# Altium PCB main.PcbDoc (part 3 of 5) (continued)
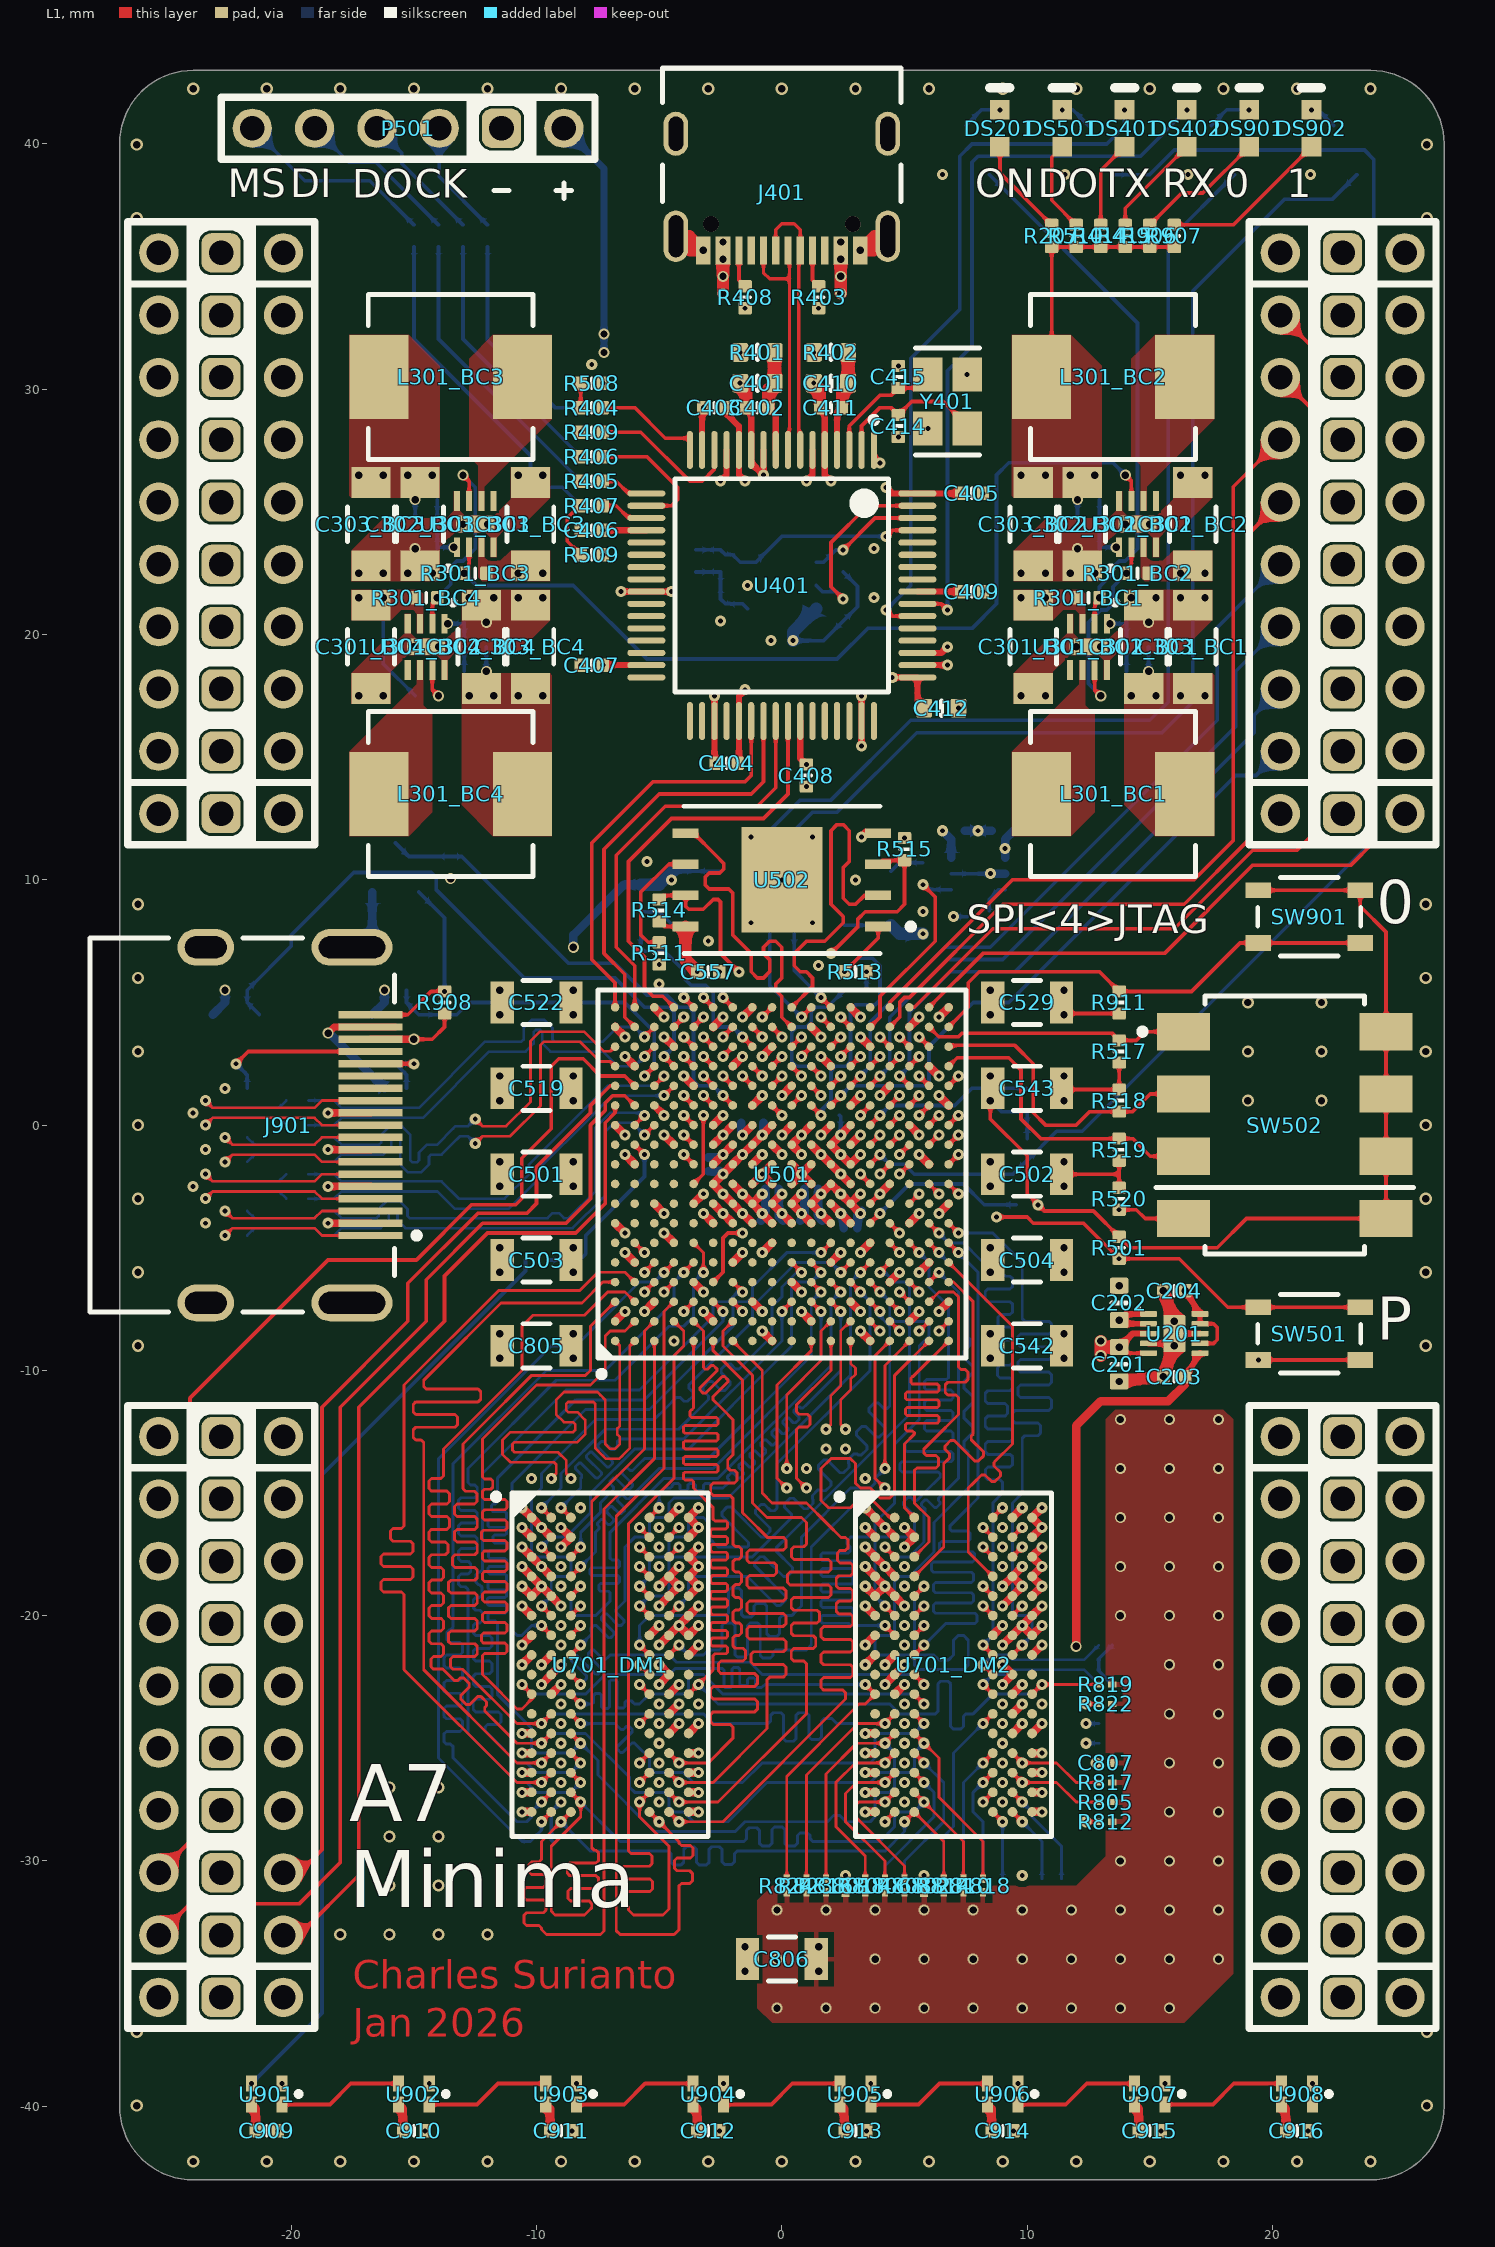
[diagram p0: L1 view]
## Nets (pads, with @x,y where several pads share a name; then routed paths per layer and width w, separated by ;. In a path a pad name is that pad's centre, name@x,y a point inside that pad or via, vN(x,y) a via of type N, cw(c..) or ccw(c..) an arc to the next point about the centre after c; other vN are vias at no path point) (continued)
DDRB0.DQ5: U501.K5 U701_DM1.A2 | length 18.7
  L1 w0.118: v1(-9.8,-15.6) U701_DM1.A2@-9.4,-16 ; U501.K5@0.4,-5.6 v1(0.8,-6)
  L8 w0.118: v1(-9.8,-15.6) -9,-14.8 -9,-14.2 -7.2,-12.4 -4.2,-12.4 -3.031,-11.231 -2.989,-11.189 -2.989,-11.042 -3.207,-10.824 -3.207,-10.677 -2.987,-10.458 -2.841,-10.458 -2.477,-10.821 -2.33,-10.821 -2.11,-10.601 -2.11,-10.455 -2.47,-10.095 -2.47,-9.948 -2.25,-9.728 -2.103,-9.728 -1.889,-9.943 -1.743,-9.943 -1.644,-9.844 -0.4,-8.6 -0.4,-7.4 0,-7 0,-6.6 0.571,-6.029
DDRB0.DQ6: U501.M2 U701_DM1.B8 | length 17.4
  L1 w0.118: U701_DM1.B8@-4.6,-16.8 v3(-4.2,-16.4) ; v3(0.2,-14) 0.2,-11 1.6,-9.6 1.6,-8.4 U501.M2@2,-8
  L6 w0.126: v3(-4.2,-16.4) -3.8,-16 -3.2,-16 -2.6,-15.4 -2.555,-15.355 -2.555,-15.207 -3.329,-14.433 -3.329,-14.284 -3.106,-14.061 -2.957,-14.061 -1.963,-15.055 -1.814,-15.055 -1.591,-14.831 -1.591,-14.683 -2.351,-13.923 -2.351,-13.774 -2.128,-13.55 -1.979,-13.55 -1.439,-14.09 -1.29,-14.09 -1.2,-14 v3(0.2,-14)
DDRB0.DQ7: U501.K3 U701_DM1.A3 | length 19
  L1 w0.118: v1(-9,-15.6) U701_DM1.A3@-8.6,-16 ; v1(0,-7.6) U501.K3@0.4,-7.2
  L8 w0.118: v1(-9,-15.6) -8.2,-14.8 -8.2,-14.4 -8.158,-14.358 -8.158,-14.26 -8.41,-14.009 -8.41,-13.918 -8.275,-13.783 -8.184,-13.783 -7.583,-14.384 -7.493,-14.384 -7.358,-14.249 -7.358,-14.159 -7.959,-13.558 -7.959,-13.468 -7.824,-13.333 -7.734,-13.333 -7.133,-13.934 -7.043,-13.934 -6.908,-13.799 -6.908,-13.709 -7.494,-13.123 -7.494,-13.033 -7.359,-12.898 -7.269,-12.898 -6.934,-13.232 -6.844,-13.232 -6.709,-13.097 -6.709,-13.007 -6.709,-12.909 -6.6,-12.8 -6.424,-12.8 -4,-12.8 0,-8.8 v1(0,-7.6)
DDRB0.DQS_1_N: U501.N1 U701_DM1.B7 | length 17.1
  L1 w0.108: v3(-5.8,-16.4) U701_DM1.B7@-5.4,-16.8 ; v3(2.6,-12.4) 2.404,-12.204 2.404,-11.196 2.804,-10.796 2.804,-10.411 2.804,-10.357 3.002,-10.159 3.002,-9.909 2.804,-9.711 2.804,-9.6 U501.N1@2.804,-8.8
  L6 w0.114: v3(-5.8,-16.4) -5.8,-15.215 -2.771,-12.186 -2.585,-12 -2.2,-12 -2.026,-12 -1.923,-11.897 -1.923,-11.337 -1.586,-11 -0.946,-11 -0.609,-11.337 -0.609,-11.897 -0.506,-12 0.016,-12 2.2,-12 v3(2.6,-12.4)
DDRB0.DQS_1_P: U501.N2 U701_DM1.C7 | length 17.3
  L1 w0.108: v3(-5.8,-17.2) U701_DM1.C7@-5.4,-17.6 ; v3(1.8,-12.4) 1.996,-12.204 1.996,-11.027 2.396,-10.627 2.396,-9.004 2.4,-9 2.4,-8.4 U501.N2@2.8,-8
  L6 w0.114: v3(-5.8,-17.2) -5.4,-16.8 -5.4,-15.4 -2.4,-12.4 -2.2,-12.4 -1.86,-12.4 -1.523,-12.063 -1.523,-11.503 -1.42,-11.4 -1.112,-11.4 -1.009,-11.503 -1.009,-12.063 -0.672,-12.4 0.016,-12.4 v3(1.8,-12.4)
DDRB1.DM_1: U501.N4 U701_DM1.E7 | length 25.7
  L1 w0.118: v1(-5.8,-18.8) U701_DM1.E7@-5.4,-19.2 ; U501.N4@2.8,-6.4 v1(3.2,-6.8)
  L8 w0.118: v1(-5.8,-18.8) -5.4,-18.4 -5.4,-17.8 -5.2,-17.6 -4.8,-17.6 -4.6,-17.4 -4.6,-17 -4.4,-16.8 -4,-16.8 -3.8,-16.6 -3.8,-16.2 -3.6,-16 -3.2,-16 -3,-16.2 -3,-16.8 -2.6,-17.2 -1.4,-17.2 -1.358,-17.158 -1.358,-17.012 -2.442,-15.927 -2.442,-15.781 -2.222,-15.561 -2.076,-15.561 -0.846,-16.791 -0.699,-16.791 -0.479,-16.571 -0.479,-16.424 -1.071,-15.832 -1.071,-15.686 -0.851,-15.466 -0.704,-15.466 -0.45,-15.72 -0.304,-15.72 -0.2,-15.616 -0.2,-15.394 -0.2,-13.8 3.6,-10 3.6,-7.2 v1(3.2,-6.8)
DDRB1.DQ0: U501.M4 U701_DM1.E3 | length 25.7
  L1 w0.118: U701_DM1.E3@-8.6,-19.2 v1(-8.2,-18.8) ; U501.M4@2,-6.4 v1(2.4,-6.8)
  L8 w0.118: v1(-8.2,-18.8) -8.6,-19.2 -8.6,-19.8 -8.4,-20 -7.6,-20 -7,-19.4 -7,-19.2 -7,-19.072 -7.069,-19.002 -7.39,-19.002 -7.453,-18.938 -7.453,-18.747 -7.39,-18.684 -6.682,-18.684 -6.618,-18.62 -6.618,-18.429 -6.682,-18.365 -7.752,-18.365 -7.816,-18.302 -7.816,-18.111 -7.752,-18.047 -6.682,-18.047 -6.618,-17.983 -6.618,-17.792 -6.682,-17.729 -6.931,-17.729 -7,-17.659 -7,-17.6 -7,-17.4 -7,-16.6 -4.8,-14.4 -2.6,-14.4 2,-9.8 2,-9.6 2,-7.2 v1(2.4,-6.8)
DDRB1.DQ1: U501.P3 U701_DM1.F7 | length 25.7
  L1 w0.118: v1(-5.8,-19.6) U701_DM1.F7@-5.4,-20 ; U501.P3@3.6,-7.2 v1(4,-7.6)
  L8 w0.118: v1(-5.8,-19.6) -5.4,-19.2 -4.8,-19.2 -4.6,-19 -4.6,-17.8 -4.4,-17.6 -3.2,-17.6 -1.2,-17.6 0.35,-16.05 0.392,-16.008 0.392,-15.862 0.11,-15.58 0.11,-15.433 0.33,-15.213 0.477,-15.213 0.904,-15.641 1.051,-15.641 1.271,-15.421 1.271,-15.274 1.243,-15.247 1.243,-15.1 1.463,-14.88 1.61,-14.88 1.637,-14.907 1.784,-14.907 2.004,-14.687 2.004,-14.541 1.487,-14.024 1.487,-13.877 1.707,-13.658 1.854,-13.658 2.37,-14.174 2.517,-14.174 2.737,-13.954 2.737,-13.808 2.71,-13.78 2.71,-13.634 2.929,-13.414 3.076,-13.414 3.103,-13.441 3.25,-13.441 3.47,-13.221 3.47,-13.075 3.043,-12.647 3.043,-12.501 3.263,-12.281 3.409,-12.281 3.837,-12.708 3.983,-12.708 4.203,-12.488 4.203,-12.341 3.551,-11.689 3.551,-11.543 3.771,-11.323 3.917,-11.323 4.15,-11.555 4.296,-11.555 4.4,-11.451 4.4,-10.953 4.4,-8.2 4,-7.8 v1(4,-7.6)
DDRB1.DQ2: U501.N5 U701_DM1.F2 | length 25.7
  L1 w0.118: v1(-9.8,-19.6) U701_DM1.F2@-9.4,-20 ; v1(2.4,-6) U501.N5@2.8,-5.6
  L8 w0.118: v1(-9.8,-19.6) -9.4,-19.2 -9.4,-18.6 -9.2,-18.4 -8.8,-18.4 -8.6,-18.2 -8.6,-17.8 -8.8,-17.6 -10,-17.6 -10.2,-17.4 -10.2,-15.2 -9.8,-14.8 -9.8,-14.2 -7.6,-12 -5.2,-12 -4.707,-11.507 -4.298,-11.098 -4.152,-11.098 -3.992,-11.258 -3.846,-11.258 -3.626,-11.038 -3.626,-10.891 -3.785,-10.732 -3.785,-10.585 -3.414,-10.214 -1.2,-8 -1.2,-7.4 0.6,-5.6 2,-5.6 v1(2.4,-6)
DDRB1.DQ3: U501.P4 U701_DM1.F8 | length 25.7
  L1 w0.118: U701_DM1.F8@-4.6,-20 v1(-4.2,-19.6) ; U501.P4@3.6,-6.4 v1(4,-6.8)
  L8 w0.118: v1(-4.2,-19.6) -3.8,-19.2 -3.8,-18.6 -3.6,-18.4 -2.574,-18.4 -1.404,-18.4 -0.215,-19.589 -0.068,-19.589 0.152,-19.369 0.152,-19.223 -1.108,-17.963 -1.108,-17.816 -0.888,-17.596 -0.741,-17.596 0.07,-18.408 0.217,-18.408 0.437,-18.188 0.437,-18.041 -0.229,-17.375 -0.229,-17.229 0.307,-16.693 5.2,-11.8 5.2,-8.2 5,-8 4.6,-8 4.4,-7.8 4.4,-7.2 v1(4,-6.8)
DDRB1.DQ4: U501.P5 U701_DM1.H3 | length 25.7
  L1 w0.118: U701_DM1.H3@-8.6,-21.6 v1(-8.2,-21.2) ; v1(3.2,-6) U501.P5@3.6,-5.6
  L8 w0.118: v1(-8.2,-21.2) -7.8,-20.8 -7.758,-20.758 -7.758,-20.66 -7.792,-20.626 -7.792,-20.536 -7.657,-20.401 -7.567,-20.401 -7.067,-20.901 -6.977,-20.901 -6.842,-20.766 -6.842,-20.675 -7.359,-20.158 -7.359,-20.068 -7.224,-19.933 -7.134,-19.933 -6.66,-20.407 -6.57,-20.407 -6.435,-20.272 -6.435,-20.182 -6.759,-19.858 -6.759,-19.759 -6.6,-19.6 -6.4,-19.4 -6.4,-17.2 -6,-16.8 -5.6,-16.8 -5.4,-16.6 -5.4,-16.2 -5.2,-16 -4.8,-16 -4.6,-15.8 -4.6,-15.4 -4.4,-15.2 -2.2,-15.2 2.8,-10.2 2.8,-6.4 v1(3.2,-6)
DDRB1.DQ5: U501.R1 U701_DM1.H8 | length 25.7
  L1 w0.118: U701_DM1.H8@-4.6,-21.6 v1(-4.2,-21.2) ; v1(4.2,-14.8) 3.8,-14.4 3.8,-9.4 U501.R1@4.4,-8.8
  L8 w0.118: v1(-4.2,-21.2) -3.8,-21.6 -3.2,-21.6 -3,-21.4 -2.6,-21.4 -2.541,-21.4 -2.437,-21.296 -2.437,-20.398 -2.333,-20.294 -2.022,-20.294 -1.919,-20.398 -1.919,-21.578 -1.815,-21.682 -1.504,-21.682 -1.4,-21.578 -1.4,-20.398 -1.297,-20.294 -0.986,-20.294 -0.882,-20.398 -0.882,-21.62 -0.778,-21.724 -0.467,-21.724 -0.364,-21.62 -0.364,-21.504 -0.26,-21.4 0.123,-21.4 1,-21.4 1.2,-21.2 1.2,-17.2 3.2,-15.2 3.8,-15.2 v1(4.2,-14.8)
DDRB1.DQ6: U501.M6 U701_DM1.G2 | length 25.8
  L1 w0.118: v1(-9.8,-20.4) U701_DM1.G2@-9.4,-20.8 ; v1(1.6,-5.2) U501.M6@2,-4.8
  L8 w0.118: v1(-9.8,-20.4) -10.2,-20.4 -10.6,-20.8 -10.8,-20.8 -11,-20.6 -11,-14.6 -8,-11.6 -5.4,-11.6 -2,-8.2 -2,-7.4 -1.8,-7.2 -1.4,-7.2 -1.2,-7 -1.2,-6.6 0.2,-5.2 v1(1.6,-5.2)
DDRB1.DQ7: U501.T1 U701_DM1.H7 | length 25.8
  L1 w0.118: v1(-5.8,-21.2) U701_DM1.H7@-5.4,-21.6 ; v1(4.2,-14) 4.2,-9.8 U501.T1@5.2,-8.8
  L8 w0.118: v1(-5.8,-21.2) -5.8,-20.4 -5.4,-20 -2.335,-20 -2.276,-20 -2.172,-19.896 -2.172,-18.975 -2.068,-18.871 -1.757,-18.871 -1.654,-18.975 -1.654,-19.943 -1.55,-20.047 -1.239,-20.047 -1.135,-19.943 -1.135,-19.599 -1.032,-19.496 -0.721,-19.496 -0.617,-19.599 -0.617,-20.733 -0.513,-20.836 -0.202,-20.836 -0.098,-20.733 -0.098,-20.104 0.005,-20 0.4,-20 0.6,-19.8 0.8,-19.6 0.8,-16.8 2.8,-14.8 3.6,-14.8 3.8,-14.6 3.8,-14.4 v1(4.2,-14)
DDRB1.DQS_1_N: U501.R2 U701_DM1.G3 | length 22.5
  L1 w0.108: U701_DM1.G3@-8.6,-20.8 v3(-8.2,-20.4) ; U501.R2@4.4,-8 v3(4.8,-8.4)
  L6 w0.114: v3(-8.2,-20.4) -8.007,-20.207 -7.7,-20.207 -7.307,-20.6 -7.3,-20.607 -5.393,-20.607 -5.2,-20.8 -3.2,-20.8 -3.007,-20.607 -2.522,-20.607 -0.386,-18.471 -0.386,-17.586 4.607,-12.593 4.607,-9.6 4.607,-8.593 v3(4.8,-8.4)
DDRB1.DQS_1_P: U501.P2 U701_DM1.F3 | length 22.4
  L1 w0.108: U701_DM1.F3@-8.6,-20 v3(-8.2,-19.6) ; U501.P2@3.6,-8 v3(4,-8.4)
  L6 w0.114: v3(-8.2,-19.6) -8.007,-19.793 -7.529,-19.793 -7.129,-20.193 -5.393,-20.193 -5.2,-20 -3.2,-20 -3.007,-20.193 -2.693,-20.193 -1.55,-19.05 -1.51,-19.01 -1.51,-18.656 -1.333,-18.479 -0.979,-18.479 -0.8,-18.3 -0.8,-17.415 2.087,-14.528 2.145,-14.47 2.145,-14.237 2.322,-14.06 2.57,-14.06 2.747,-13.883 2.747,-13.635 2.924,-13.458 3.173,-13.458 3.35,-13.281 3.35,-13.032 3.526,-12.855 3.759,-12.855 4.007,-12.607 4.193,-12.422 4.193,-8.593 v3(4,-8.4)
DDRB2.DM_1: U501.V4 U701_DM2.D3 | length 15.9
  L1 w0.118: U701_DM2.D3@5.4,-18.4 6.6,-17.2 6.6,-13.8 6.8,-13.6 6.842,-13.558 6.842,-13.412 6.658,-13.228 6.658,-13.081 6.878,-12.861 7.025,-12.861 7.861,-13.697 8.007,-13.697 8.227,-13.477 8.227,-13.331 7.722,-12.825 7.722,-12.678 7.8,-12.6 7.8,-11.99 7.8,-7.2 7,-6.4 U501.V4@6.8,-6.4
DDRB2.DQ0: U501.V5 U701_DM2.D7 | length 15.9
  L1 w0.118: U501.V5@6.8,-5.6 9.4,-8.2 9.4,-13 8.692,-13.708 8.65,-13.75 8.65,-13.896 8.909,-14.155 8.909,-14.302 8.689,-14.522 8.543,-14.522 8.284,-14.263 8.137,-14.263 7.8,-14.6 7.6,-14.8 7.6,-17.4 U701_DM2.D7@8.6,-18.4
DDRB2.DQ1: U501.U3 U701_DM2.C3 | length 15.9
  L1 w0.118: U701_DM2.C3@5.4,-17.6 6,-17 6,-16 5.4,-15.4 5.4,-14.664 5.4,-14.087 5.504,-13.983 6.278,-13.983 6.382,-13.879 6.382,-13.568 6.278,-13.465 5.889,-13.465 5.786,-13.361 5.786,-13.214 6.195,-12.805 7.2,-11.8 7.2,-11.6 7.2,-11.103 7.096,-11 6.766,-11 6.662,-10.896 6.662,-10.585 6.766,-10.481 7.478,-10.481 7.582,-10.378 7.582,-10.067 7.478,-9.963 7.304,-9.963 7.2,-9.859 7.2,-9.8 7.2,-7 7,-6.8 6.4,-6.8 U501.U3@6,-7.2
DDRB2.DQ2: U501.R3 U701_DM2.C8 | length 14
  L1 w0.118: U501.R3@4.4,-7.2 v3(4.8,-7.6) ; U701_DM2.C8@9.4,-17.6 v3(9.8,-17.2)
  L6 w0.126: v3(4.8,-7.6) 5,-7.6 5.4,-8 6.6,-8 6.8,-8.2 6.8,-14.2 8.6,-16 8.6,-16.6 8.8,-16.8 9.4,-16.8 v3(9.8,-17.2)
DDRB2.DQ3: U501.U4 U701_DM2.C2 | length 15.9
  L1 w0.118: v1(4.2,-17.2) U701_DM2.C2@4.6,-17.6 ; U501.U4@6,-6.4 v1(6.4,-6)
  L8 w0.118: v1(4.2,-17.2) 4.6,-17.6 5.2,-17.6 5.8,-17 5.8,-15.8 5.842,-15.758 5.842,-15.66 5.69,-15.509 5.69,-15.418 5.825,-15.283 5.916,-15.283 6.219,-15.587 6.31,-15.587 6.445,-15.452 6.445,-15.362 6.39,-15.308 6.39,-15.21 6.51,-15.09 7.2,-14.4 7.2,-6.8 v1(6.4,-6)
DDRB2.DQ4: U501.T3 U701_DM2.A7 | length 13.9
  L1 w0.118: v3(4.8,-6.8) U501.T3@5.2,-7.2 ; U701_DM2.A7@8.6,-16 v3(9,-15.6)
  L6 w0.126: v3(4.8,-6.8) 5.2,-7.2 6.6,-7.2 7.4,-8 7.4,-10 7.4,-10.063 7.505,-10.168 7.669,-10.168 7.774,-10.274 7.774,-10.589 7.669,-10.695 7.131,-10.695 7.026,-10.8 7.026,-11.116 7.131,-11.221 7.519,-11.221 7.624,-11.326 7.624,-11.642 7.519,-11.747 7.505,-11.747 7.4,-11.852 7.4,-12.203 7.4,-14 v3(9,-15.6)
DDRB2.DQ5: U501.U1 U701_DM2.A2 | length 16.1
  L1 w0.118: U701_DM2.A2@4.6,-16 4.4,-16 3.6,-15.2 3.2,-15.2 2.8,-15.6 1.9,-15.6 1.6,-15.3 1.6,-14 2,-13.6 2.8,-13.6 3,-13.8 3,-14.6 3.2,-14.8 3.6,-14.8 4,-15.2 4.4,-15.2 4.6,-15 4.6,-10.2 U501.U1@6,-8.8
DDRB2.DQ6: U501.T4 U701_DM2.B8 | length 13.9
  L1 w0.118: U501.T4@5.2,-6.4 v3(5.6,-6.8) ; U701_DM2.B8@9.4,-16.8 v3(9.8,-16.4)
  L6 w0.126: v3(5.6,-6.8) 7,-6.8 8,-7.8 8,-13.6 8.202,-13.802 8.246,-13.846 8.395,-13.846 8.563,-13.678 8.712,-13.678 8.935,-13.901 8.935,-14.05 8.767,-14.218 8.767,-14.367 9.155,-14.755 9.2,-14.8 9.4,-15 9.4,-16 v3(9.8,-16.4)
DDRB2.DQ7: U501.V1 U701_DM2.A3 | length 15.9
  L1 w0.118: U701_DM2.A3@5.4,-16 5,-15.6 5,-13 5.4,-12.6 5.4,-12.541 5.331,-12.471 5.105,-12.471 5.042,-12.408 5.042,-12.217 5.105,-12.153 6.336,-12.153 6.4,-12.089 6.4,-11.898 6.336,-11.835 5.105,-11.835 5.042,-11.771 5.042,-11.58 5.105,-11.516 6.336,-11.516 6.4,-11.453 6.4,-11.262 6.336,-11.198 5.105,-11.198 5.042,-11.134 5.042,-10.943 5.105,-10.879 6.336,-10.879 6.4,-10.816 6.4,-10.625 6.336,-10.561 5.33,-10.561 5.266,-10.497 5.266,-10.306 5.33,-10.243 5.357,-10.243 5.582,-10.018 U501.V1@6.8,-8.8
DDRB2.DQS_1_N: U501.V2 U701_DM2.B7 | length 14
  L1 w0.108: v3(6.4,-8.4) U501.V2@6.8,-8 ; v3(8.2,-16.4) U701_DM2.B7@8.6,-16.8
  L6 w0.114: 6.274,-10.024 6.207,-9.957 6.207,-9.779 6.207,-8.593 v3(6.4,-8.4) ; 6.275,-10.024 6.58,-10.329 6.58,-10.861 6.275,-11.166 5.697,-11.166 5.634,-11.229 5.634,-11.417 5.697,-11.48 6.275,-11.48 6.58,-11.785 6.58,-12.317 6.275,-12.622 5.792,-12.622 5.729,-12.685 5.729,-12.873 5.792,-12.936 5.898,-12.936 6.207,-13.245 6.207,-13.795 6.207,-15.4 6.279,-15.471 6.485,-15.678 6.631,-15.678 6.817,-15.492 6.963,-15.492 7.181,-15.71 7.181,-15.855 6.994,-16.042 6.994,-16.187 7.398,-16.591 7.4,-16.593 8.007,-16.593 v3(8.2,-16.4)
DDRB2.DQS_1_P: U501.U2 U701_DM2.C7 | length 14
  L1 w0.108: v3(5.6,-8.4) U501.U2@6,-8 ; v3(8.2,-17.2) U701_DM2.C7@8.6,-17.6
  L6 w0.114: v3(5.6,-8.4) 5.793,-8.593 5.793,-9.779 5.793,-10.129 6.102,-10.438 ; 6.103,-10.438 6.166,-10.501 6.166,-10.689 6.103,-10.752 5.525,-10.752 5.22,-11.057 5.22,-11.589 5.525,-11.894 6.103,-11.894 6.166,-11.957 6.166,-12.145 6.103,-12.208 5.621,-12.208 5.315,-12.513 5.315,-13.045 5.621,-13.35 5.726,-13.35 5.793,-13.417 5.793,-13.795 5.793,-15.571 7.229,-17.007 8.007,-17.007 v3(8.2,-17.2)
DDRB3.DM_1: U501.R7 U701_DM2.E7 | length 28.1
  L1 w0.118: U501.R7@4.4,-4 v3(4.8,-4.4) ; v3(8.2,-18.8) U701_DM2.E7@8.6,-19.2
  L6 w0.126: v3(4.8,-4.4) 5.2,-4.8 5.2,-5.4 5.4,-5.6 5.8,-5.6 6,-5.8 6,-6.2 6.2,-6.4 7.4,-6.4 7.8,-6.8 7.845,-6.845 7.993,-6.845 8.085,-6.753 8.234,-6.753 8.457,-6.977 8.457,-7.125 8.125,-7.457 8.125,-7.606 8.349,-7.829 8.498,-7.829 9.027,-7.3 9.176,-7.3 9.399,-7.523 9.399,-7.672 8.902,-8.169 8.902,-8.318 9.125,-8.541 9.274,-8.541 9.771,-8.044 9.92,-8.044 10.143,-8.267 10.143,-8.416 8.988,-9.571 8.988,-9.72 9.211,-9.943 9.36,-9.943 10.327,-8.976 10.476,-8.976 10.699,-9.199 10.699,-9.348 9.454,-10.593 9.454,-10.742 9.677,-10.965 9.826,-10.965 9.946,-10.845 10.095,-10.845 10.2,-10.951 10.2,-11.177 10.2,-17.4 10,-17.6 9.6,-17.6 9.4,-17.8 9.4,-18.2 9.2,-18.4 8.6,-18.4 v3(8.2,-18.8)
DDRB3.DQ0: U501.U6 U701_DM2.E3 | length 32.3
  L1 w0.118: U701_DM2.E3@5.4,-19.2 v1(5.8,-18.8) ; U501.U6@6,-4.8 v1(6.4,-5.2)
  L8 w0.118: v1(5.8,-18.8) 5.4,-19.2 5.4,-21.4 5.6,-21.6 6.2,-21.6 6.4,-21.8 6.8,-21.8 7,-21.6 7,-21 7.2,-20.8 7.4,-20.8 7.6,-21 7.6,-22 7.4,-22.2 5.6,-22.2 5.4,-22 5.4,-21.8 5.2,-21.6 4,-21.6 3.8,-21.4 3.8,-21 4,-20.8 4.4,-20.8 4.6,-20.6 4.6,-18.6 4.8,-18.4 5.2,-18.4 6.2,-17.4 6.2,-16.2 7.6,-14.8 7.6,-13.4 7.6,-13.341 7.418,-13.159 7.418,-12.909 7.782,-12.546 7.782,-12.296 7.418,-11.933 7.418,-11.683 7.782,-11.32 7.782,-11.07 7.418,-10.706 7.418,-10.456 7.782,-10.093 7.782,-9.843 7.418,-9.48 7.418,-9.23 7.67,-8.979 7.67,-8.729 7.6,-8.659 7.6,-8.6 7.6,-7.894 7.6,-6.4 v1(6.4,-5.2)
DDRB3.DQ1: U501.R6 U701_DM2.F7 | length 28.1
  L1 w0.118: U501.R6@4.4,-4.8 v3(4.8,-5.2) ; v3(8.2,-19.6) U701_DM2.F7@8.6,-20
  L6 w0.126: v3(4.8,-5.2) 4.4,-5.6 4.4,-7.8 4.6,-8 5,-8 5.2,-8.2 5.2,-8.6 5,-8.8 5,-15.8 5.4,-16.2 5.4,-16.209 5.4,-16.452 5.474,-16.526 5.578,-16.526 5.671,-16.526 5.809,-16.665 5.809,-16.757 5.414,-17.153 5.414,-17.245 5.552,-17.383 5.644,-17.383 6.26,-16.768 6.352,-16.768 6.49,-16.906 6.49,-16.998 5.409,-18.08 5.409,-18.172 5.548,-18.31 5.64,-18.31 6.721,-17.229 6.813,-17.229 6.952,-17.367 6.952,-17.46 6.009,-18.403 6.009,-18.495 6.147,-18.633 6.239,-18.633 7.182,-17.69 7.275,-17.69 7.413,-17.829 7.413,-17.921 6.14,-19.194 6.14,-19.287 6.278,-19.425 6.37,-19.425 7.145,-18.65 7.25,-18.65 7.295,-18.695 v3(8.2,-19.6)
DDRB3.DQ2: U501.T6 U701_DM2.F2 | length 32.3
  L1 w0.118: v1(4.2,-19.6) U701_DM2.F2@4.6,-20 ; U501.T6@5.2,-4.8 v1(5.6,-5.2)
  L8 w0.118: v1(4.2,-19.6) 3.8,-19.2 3.8,-17 4,-16.8 5.2,-16.8 5.4,-16.6 5.4,-16 5.4,-15.916 4.965,-15.481 4.965,-15.363 5.142,-15.185 5.261,-15.185 5.379,-15.303 5.497,-15.303 5.898,-14.902 6.396,-14.404 6.455,-14.345 6.455,-14.226 6.372,-14.143 4.902,-14.143 4.818,-14.059 4.818,-13.808 4.902,-13.724 6.898,-13.724 6.982,-13.641 6.982,-13.39 6.898,-13.306 5.105,-13.306 5.021,-13.222 5.021,-12.971 5.105,-12.887 6.898,-12.887 6.982,-12.804 6.982,-12.553 6.898,-12.469 5.896,-12.469 5.812,-12.385 5.812,-12.134 5.896,-12.051 6.898,-12.051 6.982,-11.967 6.982,-11.716 6.898,-11.632 5.902,-11.632 5.818,-11.549 5.818,-11.298 5.902,-11.214 6.898,-11.214 6.982,-11.13 6.982,-10.879 6.898,-10.795 5.902,-10.795 5.818,-10.712 5.818,-10.461 5.902,-10.377 6.716,-10.377 6.8,-10.293 6.8,-9.976 6.8,-7.4 6,-6.6 6,-5.6 v1(5.6,-5.2)
DDRB3.DQ3: U501.T8 U701_DM2.F8 | length 28.1
  L1 w0.118: U501.T8@5.2,-3.2 v3(5.6,-2.8) ; U701_DM2.F8@9.4,-20 v3(9.8,-19.6)
  L6 w0.126: v3(5.6,-2.8) 6,-3.2 6,-3.8 6.2,-4 6.6,-4 6.8,-4.2 6.8,-4.6 7,-4.8 7.4,-4.8 8,-5.4 8,-6.2 8.4,-6.6 9,-6.6 11,-8.6 11,-10 11,-10.063 11.105,-10.168 11.675,-10.168 11.78,-10.274 11.78,-10.589 11.675,-10.695 10.531,-10.695 10.426,-10.8 10.426,-11.116 10.531,-11.221 11.675,-11.221 11.78,-11.326 11.78,-11.642 11.675,-11.747 10.531,-11.747 10.426,-11.852 10.426,-12.168 10.531,-12.273 11.606,-12.273 11.711,-12.378 11.711,-12.694 11.606,-12.799 10.895,-12.799 10.789,-12.905 10.789,-13.22 10.895,-13.326 11,-13.431 11,-13.793 11,-18.2 10.8,-18.4 10.4,-18.4 10.2,-18.6 10.2,-19.2 v3(9.8,-19.6)
DDRB3.DQ4: U501.V6 U701_DM2.H3 | length 32.3
  L1 w0.118: U701_DM2.H3@5.4,-21.6 v1(5.8,-21.2) ; U501.V6@6.8,-4.8 v1(7.2,-5.2)
  L8 w0.118: v1(5.8,-21.2) 6,-21 6.68,-20.32 7.875,-20.32 7.959,-20.237 7.959,-19.986 7.875,-19.902 6.268,-19.902 6.184,-19.818 6.184,-19.567 6.268,-19.484 7.732,-19.484 7.816,-19.4 7.816,-19.149 7.732,-19.065 6.268,-19.065 6.184,-18.981 6.184,-18.73 6.268,-18.647 7.732,-18.647 7.816,-18.563 7.816,-18.312 7.732,-18.228 6.183,-18.228 6.099,-18.145 6.099,-17.894 6.183,-17.81 7.765,-17.81 7.848,-17.726 7.848,-17.475 7.765,-17.392 6.502,-17.392 6.418,-17.308 6.418,-17.057 6.502,-16.973 7.581,-16.973 7.665,-16.89 7.665,-16.638 7.581,-16.555 6.931,-16.555 6.847,-16.471 6.847,-16.353 7.416,-15.784 8,-15.2 8,-6 v1(7.2,-5.2)
DDRB3.DQ5: U501.V7 U701_DM2.H8 | length 32.3
  L1 w0.118: U501.V7@6.8,-4 v1(7.2,-4.4) ; U701_DM2.H8@9.4,-21.6 v1(9.8,-21.2)
  L8 w0.118: v1(7.2,-4.4) 8.6,-4.4 9.8,-5.6 9.8,-7.836 9.8,-7.895 9.904,-7.998 10.886,-7.998 10.99,-8.102 10.99,-8.413 10.886,-8.517 9.732,-8.517 9.629,-8.621 9.629,-8.932 9.732,-9.035 10.886,-9.035 10.99,-9.139 10.99,-9.45 10.886,-9.554 9.732,-9.554 9.629,-9.657 9.629,-9.968 9.732,-10.072 10.886,-10.072 10.99,-10.176 10.99,-10.487 10.886,-10.59 9.732,-10.59 9.629,-10.694 9.629,-11.005 9.732,-11.109 10.886,-11.109 10.99,-11.213 10.99,-11.524 10.886,-11.627 9.516,-11.627 9.413,-11.731 9.413,-12.042 9.516,-12.146 10.443,-12.146 10.547,-12.249 10.547,-12.56 10.443,-12.664 9.904,-12.664 9.8,-12.768 9.8,-14.801 9.8,-15 9.4,-15.4 9.4,-19.8 9.6,-20 10,-20 10.2,-20.2 10.2,-20.8 v1(9.8,-21.2)
DDRB3.DQ6: U501.R5 U701_DM2.G2 | length 32.3
  L1 w0.118: v1(4,-6) U501.R5@4.4,-5.6 ; v1(4.2,-20.4) U701_DM2.G2@4.6,-20.8
  L8 w0.118: v1(4,-6) 4.2,-6 4.6,-6.4 5,-6.4 5.2,-6.6 5.2,-7.8 5.4,-8 5.8,-8 6,-8.2 6,-8.6 5.6,-9 5.6,-12 4.6,-13 4.6,-15.4 3.8,-16.2 3.8,-16.6 3.6,-16.8 2.8,-16.8 2.794,-16.806 2.644,-16.956 2.644,-17.055 2.713,-17.124 2.717,-17.124 2.781,-17.188 2.781,-17.379 2.717,-17.442 1.664,-17.442 1.6,-17.506 1.6,-17.697 1.664,-17.761 2.836,-17.761 2.9,-17.824 2.9,-18.015 2.836,-18.079 1.664,-18.079 1.6,-18.143 1.6,-18.334 1.664,-18.397 2.836,-18.397 2.9,-18.461 2.9,-18.652 2.836,-18.716 1.664,-18.716 1.6,-18.78 1.6,-18.971 1.664,-19.034 2.836,-19.034 2.9,-19.098 2.9,-19.289 2.836,-19.353 1.664,-19.353 1.6,-19.416 1.6,-19.607 1.664,-19.671 2.836,-19.671 2.9,-19.735 2.9,-19.926 2.836,-19.989 1.664,-19.989 1.6,-20.053 1.6,-20.244 1.664,-20.308 2.708,-20.308 2.767,-20.367 2.8,-20.4 v1(4.2,-20.4)
DDRB3.DQ7: U501.U7 U701_DM2.H7 | length 32.3
  L1 w0.118: U501.U7@6,-4 v1(6.4,-4.4) ; v1(8.2,-21.2) U701_DM2.H7@8.6,-21.6
  L8 w0.118: v1(6.4,-4.4) 6.8,-4.8 7.4,-4.8 8.1,-5.5 8.7,-5.5 9,-5.8 9,-6 9,-6.059 9.104,-6.163 9.307,-6.163 9.41,-6.267 9.41,-6.578 9.307,-6.681 8.394,-6.681 8.29,-6.785 8.29,-7.096 8.394,-7.2 9.307,-7.2 9.41,-7.303 9.41,-7.614 9.307,-7.718 8.919,-7.718 8.815,-7.822 8.815,-8.133 8.919,-8.236 9.307,-8.236 9.41,-8.34 9.41,-8.651 9.307,-8.755 8.956,-8.755 8.852,-8.859 8.852,-9.17 8.956,-9.273 9.307,-9.273 9.41,-9.377 9.41,-9.688 9.307,-9.792 8.891,-9.792 8.787,-9.895 8.787,-10.206 8.891,-10.31 9.307,-10.31 9.41,-10.414 9.41,-10.725 9.307,-10.828 8.394,-10.828 8.29,-10.932 8.29,-11.243 8.394,-11.347 9.091,-11.347 9.194,-11.451 9.194,-11.762 9.091,-11.865 8.394,-11.865 8.29,-11.969 8.29,-12.28 8.394,-12.384 9.307,-12.384 9.41,-12.487 9.41,-12.798 9.307,-12.902 8.394,-12.902 8.29,-13.006 8.29,-13.317 8.394,-13.42 9.307,-13.42 9.41,-13.524 9.41,-13.835 9.307,-13.939 8.403,-13.939 8.299,-14.043 8.299,-14.354 8.403,-14.457 8.896,-14.457 9,-14.561 9,-14.633 9,-15 8.6,-15.4 8.6,-20.8 v1(8.2,-21.2)
DDRB3.DQS_1_N: U501.V9 U701_DM2.G3 | length 28.2
  L1 w0.108: U701_DM2.G3@5.4,-20.8 v3(5.8,-20.4) ; U501.V9@6.8,-2.4 v3(7.2,-2.8)
  L6 w0.114: v3(5.8,-20.4) 5.993,-20.207 6.6,-20.207 6.993,-20.6 7,-20.607 8.607,-20.607 8.8,-20.8 10.8,-20.8 10.993,-20.607 11.371,-20.607 12.414,-19.564 12.414,-8.229 10.214,-6.029 10.214,-5.429 8.901,-4.115 8.02,-4.115 7.6,-3.695 7.007,-3.102 7.007,-2.993 v3(7.2,-2.8)
DDRB3.DQS_1_P: U501.U9 U701_DM2.F3 | length 28
  L1 w0.108: U701_DM2.F3@5.4,-20 v3(5.8,-19.6) ; U501.U9@6,-2.4 v3(6.4,-2.8)
  L6 w0.114: v3(5.8,-19.6) 5.993,-19.793 6.771,-19.793 7.171,-20.193 8.607,-20.193 8.8,-20 10.8,-20 10.993,-20.193 11.2,-20.193 12,-19.393 12,-19.2 12,-19.143 11.876,-19.019 11.876,-18.769 12.011,-18.634 12.011,-18.384 11.876,-18.249 11.876,-17.999 12.011,-17.863 12.011,-17.613 11.876,-17.478 11.876,-17.228 12.011,-17.093 12.011,-16.843 11.876,-16.708 11.876,-16.458 12.011,-16.322 12.011,-16.072 11.876,-15.937 11.876,-15.687 12,-15.563 12,-15.2 12,-8.4 9.8,-6.2 9.8,-5.6 8.729,-4.529 7.849,-4.529 7.6,-4.281 6.593,-3.274 6.593,-2.993 v3(6.4,-2.8)
DDRCTL.CAS#_1: R821.1 U501.D4 U701_DM1.K3 U701_DM2.K3 | length 59.1
  L1 w0.118: U701_DM1.K3@-8.6,-23.2 v3(-8.2,-23.6) ; v3(-4.8,-6.8) U501.D4@-4.4,-6.4 ; U701_DM2.K3@5.4,-23.2 v5(5.8,-23.6)
  L3 w0.126: v5(5.8,-23.6) 8.2,-23.6 8.6,-24 9.2,-24 9.4,-24.2 9.4,-24.6 9.6,-24.8 12,-24.8 v5(12.4,-24.4)
  L6 w0.126: v3(-8.2,-23.6) -8.6,-23.2 -11,-23.2 -12.6,-21.6 -12.6,-14.8 -11.2,-13.4 -10.8,-13.4 -10.3,-12.9 -10.025,-12.625 -9.92,-12.625 -9.752,-12.793 -9.659,-12.793 -9.521,-12.655 -9.521,-12.563 -9.69,-12.394 -9.69,-12.29 -9.4,-12 -8.9,-11.5 -8.855,-11.455 -8.855,-11.351 -8.997,-11.209 -8.997,-11.117 -8.859,-10.979 -8.766,-10.979 -8.279,-11.466 -8.186,-11.466 -8.048,-11.328 -8.048,-11.236 -8.536,-10.748 -8.536,-10.656 -8.397,-10.517 -8.305,-10.517 -7.817,-11.005 -7.725,-11.005 -7.587,-10.867 -7.587,-10.774 -8.074,-10.287 -8.074,-10.194 -7.936,-10.056 -7.844,-10.056 -7.356,-10.544 -7.264,-10.544 -7.125,-10.405 -7.125,-10.313 -7.367,-10.071 -7.367,-9.967 -7.1,-9.7 -6.2,-8.8 -6.155,-8.755 -6.155,-8.651 -6.297,-8.509 -6.297,-8.417 -6.159,-8.279 -6.066,-8.279 -5.579,-8.766 -5.486,-8.766 -5.348,-8.628 -5.348,-8.536 -5.644,-8.24 -5.644,-8.148 -5.505,-8.009 -5.413,-8.009 -5.117,-8.305 -5.025,-8.305 -4.887,-8.167 -4.887,-8.074 -5.128,-7.833 -5.128,-7.728 -5,-7.6 -4.8,-7.4 v3(-4.8,-6.8)
  L8 w0.118: v3(-8.2,-23.6) -7.8,-23.6 -7.741,-23.6 -7.671,-23.531 -7.671,-23.244 -7.608,-23.18 -7.417,-23.18 -7.353,-23.244 -7.353,-23.718 -7.289,-23.782 -7.098,-23.782 -7.035,-23.718 -7.035,-22.682 -6.971,-22.618 -6.78,-22.618 -6.716,-22.682 -6.716,-23.694 -6.653,-23.758 -6.462,-23.758 -6.398,-23.694 -6.398,-23.531 -6.334,-23.467 -6.143,-23.467 -6.079,-23.531 -6.01,-23.6 -5.8,-23.6 -5.442,-23.242 -5.4,-23.2 -4,-23.2 -3.8,-23 -3.8,-22.6 -3.6,-22.4 -3.2,-22.4 -2.4,-23.2 5.4,-23.2 v5(5.8,-23.6) ; v5(12.4,-24.4) R821.1@12.925,-24.4